# Altium PCB Mother  Board.PcbDoc (part 3 of 4) (continued)
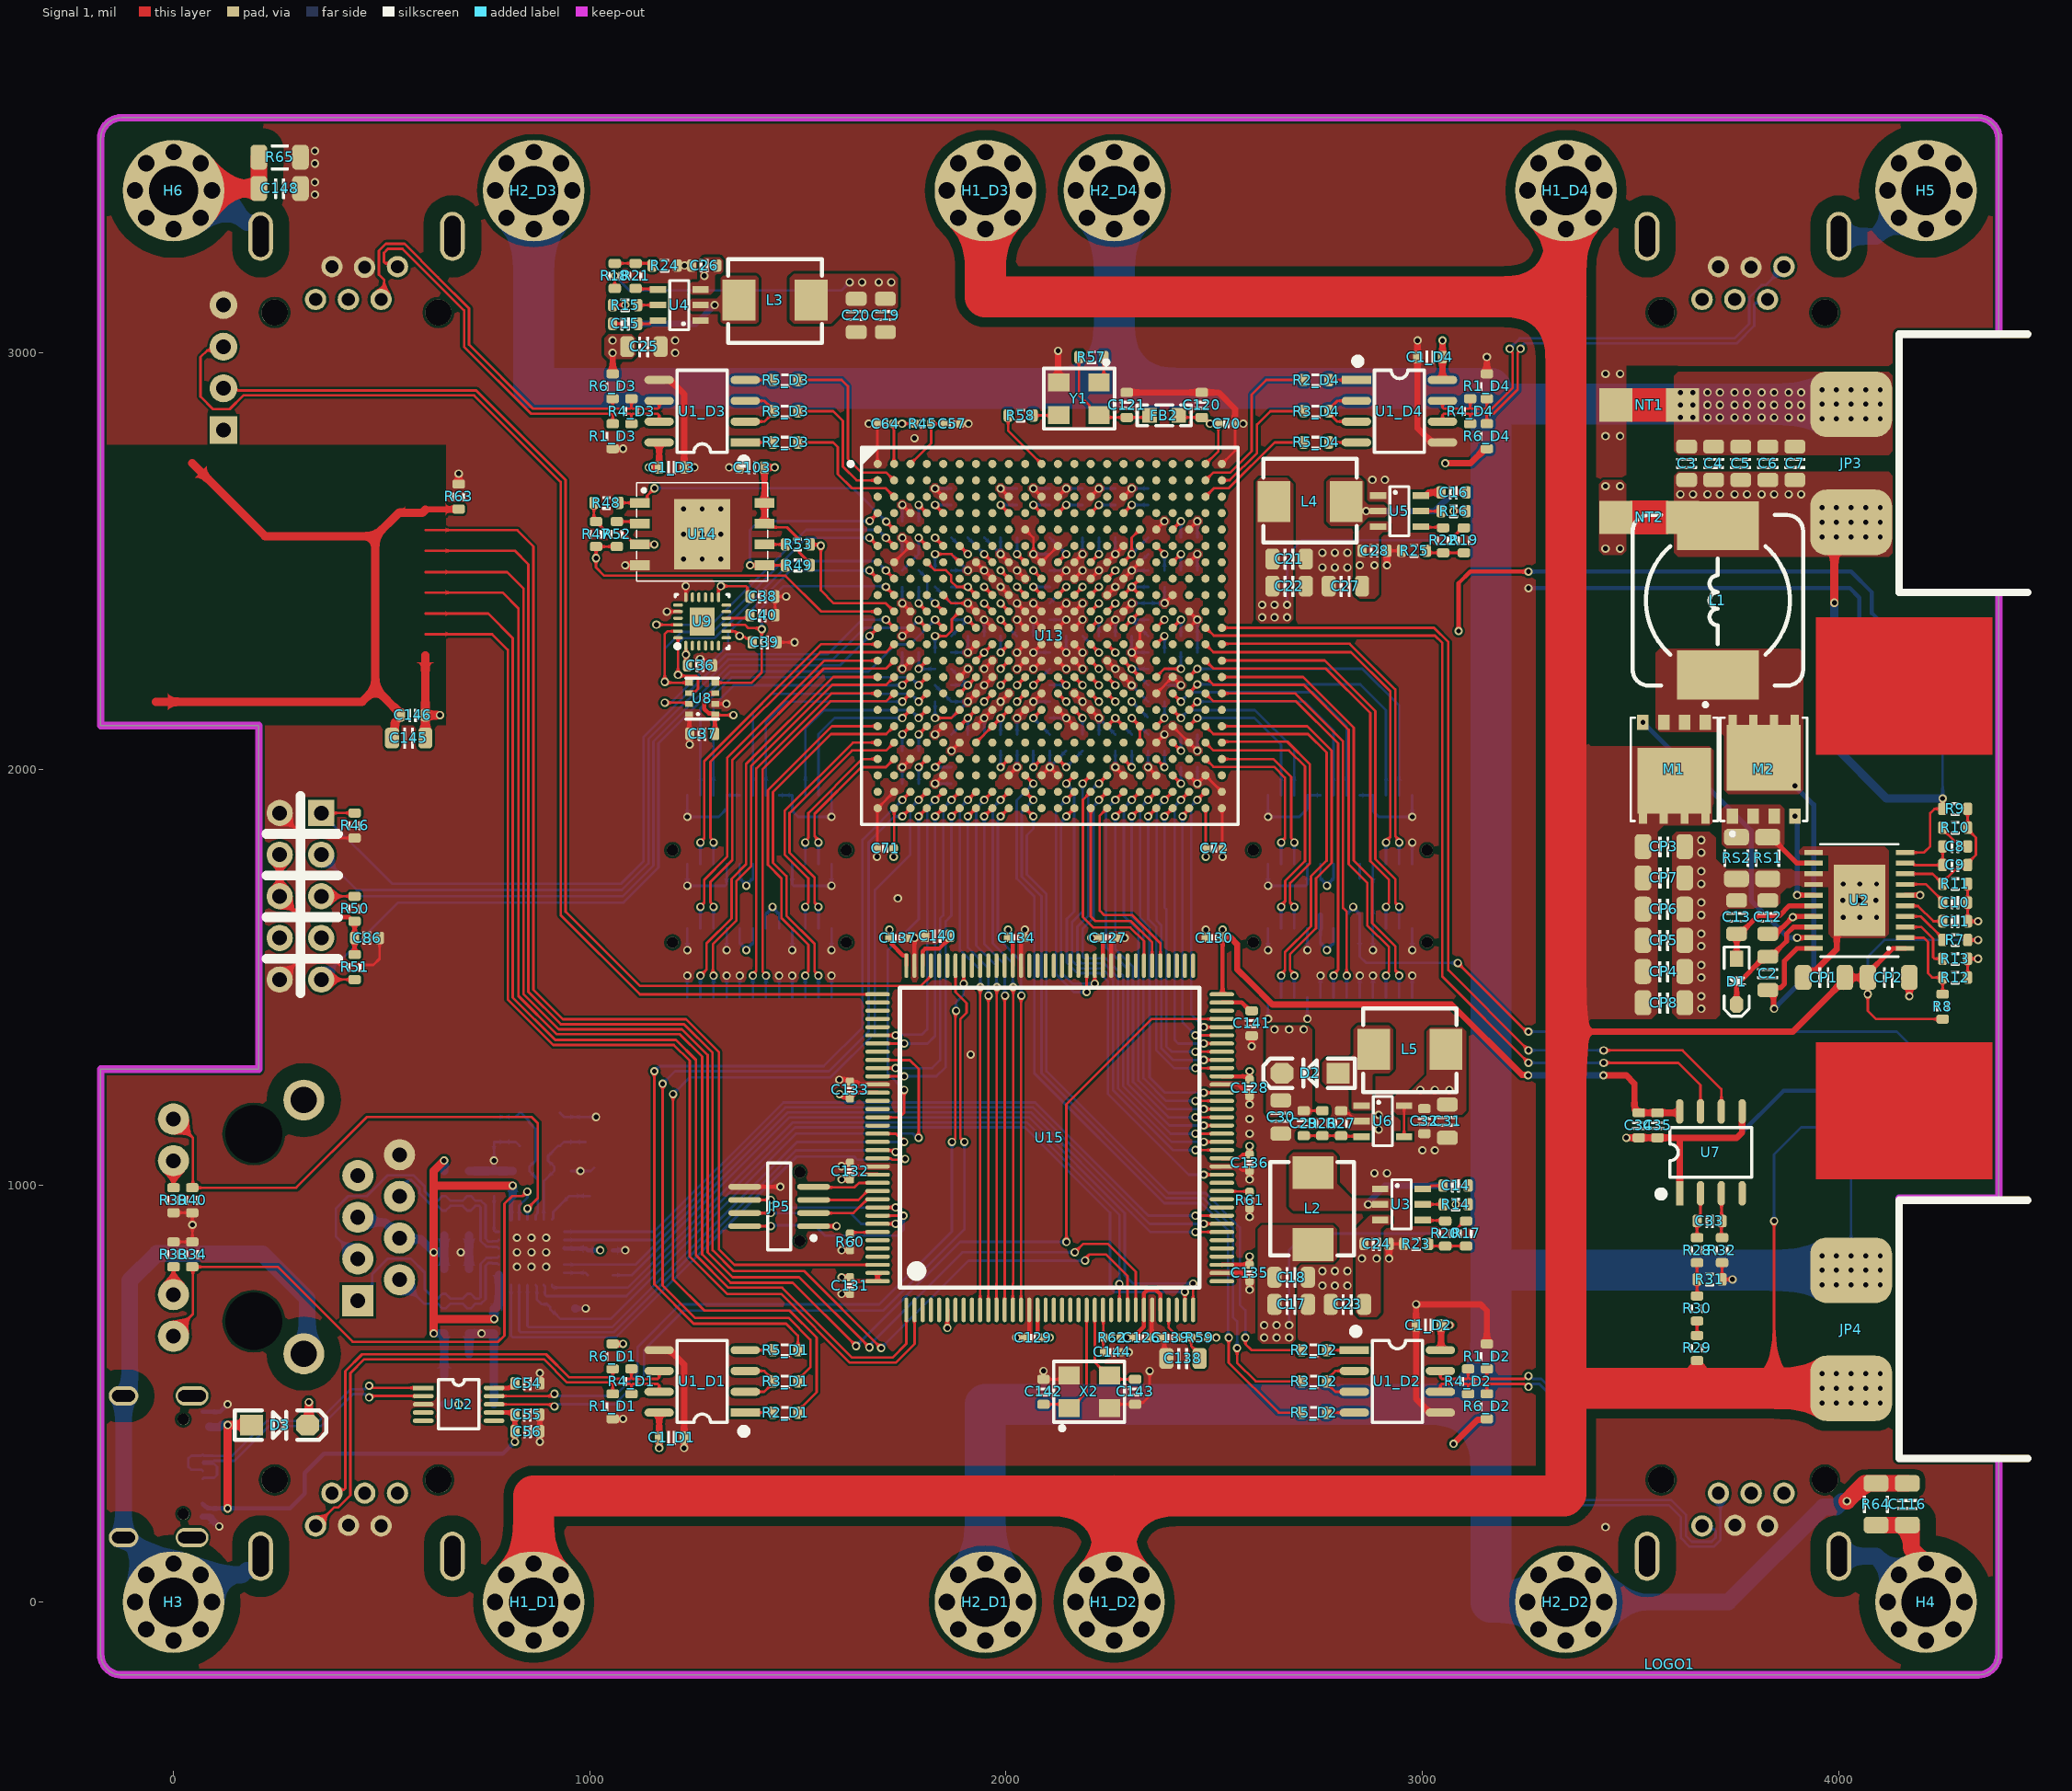
[diagram p0: Signal 1 view]
## Nets (pads, with @x,y where several pads share a name; then routed paths per layer and width w, separated by ;. In a path a pad name is that pad's centre, name@x,y a point inside that pad or via, vN(x,y) a via of type N, cw(c..) or ccw(c..) an arc to the next point about the centre after c; other vN are vias at no path point) (continued)
  Signal 2 w10: USB1.A12@70.08,456.89 111.89,456.89 v2(130,475) ; C149.2@1055,845 v2(1085,845) ; v2@3260,2435 4026.98,2435 4050,2411.98 4050,2300 4105,2245 4250,2245 4262.5,2232.5 ; v1(3490,1115) 3755,1115 3867.6,1227.6 LED2.K@4345,1227.6 ; LED3.K@4350,2087.6 4342.11,2095.49 4321.17,2095.49 4291.19,2125.47 4262.5,2154.17 4262.5,2232.5 ; LED4.K@4350,2247.6 4277.6,2247.6 4262.5,2232.5
  Signal 2 w15: USB1.B12@70.08,204.92 86.58,204.92 v2(110,181.5)
  Signal 2 w20: v1(690,840) 690.18,840.18 C45.1@709.99,840.18 ; C47.1@710,596 C47.1@710,600 C42.1@709.99,645.18 ; C41.1@709.99,800.18 C45.1@709.99,840.18 ; C44.1@709.99,880.18 C45.1@709.99,840.18 ; C43.1@709.99,1035.18 R44.1@769.99,1035.18 C53.2@814.99,1035.18 ; C42.1@710.08,645.09 C52.2@769.9,645.09 ; C46.1@770,475 C52.2@769.99,645 ; R43.2@964.91,704.91 R43.2@965,705
  other v1: 989.99,705.18 2760,760 2790,760 2820,760 2760,795 2790,795 2820,795 825,805 860,805 895,805 825,840 860.01,839.82 895,840 825,875 860,875 895,875 2885,1030 2915,1030 769.81,1060.18 3000,1085 3030,1085 2585,1125 2895,1135 2585,1160 2895,1170 2760,2485 2790,2485 2820,2485 1225,2505 1270,2505 1315,2505 2760,2520 2790,2520 2820,2520 1225,2565 1270,2565 1315,2565 1225,2625 1270,2625 1315,2625 2880,2695 2910,2695 3440,2800 3475,2800 3440,2950 3475,2950 1205,3000 1205,3030 339.77,3379.99 339.77,3409.99 339.77,3454.98 339.77,3484.98
  other v2: 3440,180 740,645 1915,1315 1740,1690 3255,2435 1780,2795
HOLE1: U10.15
HOLE2: U10.16
"IMU nCS BMP280": U8.2 U13.H1 | length 728.5
  Signal 1 w6: v1(1180,2160) 1235.71,2160 U8.2@1238.5,2157.2 ; v1(1671.93,2477.48) U13.H1@1691.61,2457.8
  Signal 2 w6: v1(1180,2160) 1195,2160 1332.58,2297.58 1332.58,2327.58 1482.48,2477.48 v1(1671.93,2477.48)
"IMU nCS MPU9250": U9.22 U13.F2 | length 734.4
  Signal 1 w6: v1@1160,2350 1162.87,2347.13 U9.22@1211.93,2347.13 ; v1(1711.3,2556.22) U13.F2@1730.98,2536.54
  Signal 2 w6: v1(1160,2347.13) 1292.13,2347.13 1520,2575 1692.52,2575 v1(1711.3,2556.22)
"IMU SCLK": U8.4 U9.23 U13.F1 | length 918.9
  Signal 1 w6: U9.23@1211.93,2331.38 1186.38,2331.38 1180,2325 v1(1180,2210) 1182.32,2207.68 U8.4@1238.5,2207.68 ; v1(1671.94,2556) 1672.05,2556 1691.51,2536.54 U13.F1@1691.61,2536.54
  Signal 2 w6: v1(1180,2210) 1180,2290 1220,2330 1295,2330 1521,2556 v1(1671.94,2556)
"IMU SDI": U8.3 U9.24 U13.H2 | length 887.5
  Signal 1 w6: U9.24@1211.93,2315.63 v1(1211.93,2226.68) 1211.93,2224.12 1255.88,2224.12 1260,2220 1260,2193.51 1253.17,2186.68 1242.39,2186.68 U8.3@1238.5,2182.8 ; v1(1711.3,2477.48) U13.H2@1730.98,2457.8
  Signal 2 w6: v1(1211.93,2226.68) 1211.93,2301.93 1225,2315 1300,2315 1485,2500 1688.78,2500 v1(1711.3,2477.48)
"IMU SDO": U8.5 U9.9 U13.J2 | length 715
  Signal 1 w6: U8.5@1301.5,2207.68 1387.68,2207.68 1413.24,2233.24 v1(1413.24,2336.49) 1410.73,2339 1381,2339 1372.87,2347.13 U9.9@1328.07,2347.13 ; v1(1711.3,2438.11) U13.J2@1730.98,2418.43
  Signal 2 w6: v1(1413.24,2336.49) 1413.24,2388.24 1465,2440 1709.41,2440 v1(1711.3,2438.11)
INa_D1: JP2_D1.6 U13.P2 | length 1026.1
  Signal 1 w6: v1(1297.26,1504.23) 1295.62,1505.88 1295.62,1580.07 1352.46,1636.91 1352.46,1731.91 1387.46,1766.91 1387.46,2007.46 1582.73,2202.73 1712.14,2202.73 U13.P2@1730.98,2221.57
  Signal 2 w6: JP2_D1.6@1297.26,1452.32 v1(1297.26,1504.23)
INa_D2: JP2_D2.6 U13.U22 | length 926.2
  Signal 1 w6: U13.U22@2518.39,2103.46 2723.51,2103.46 2782,2044.97 2782,1949.95 2782,1775.58 2744.54,1738.12 2744.54,1618.12 2682,1555.58 2682,1518.29 2692.26,1508.02 v1(2692.26,1504.23)
  Signal 2 w6: JP2_D2.6@2692.26,1452.32 v1(2692.26,1504.23)
INa_D3: JP2_D3.6 U13.T4 | length 486.5
  Signal 1 w6: v1(1790.04,2123.15) U13.T4@1809.72,2142.83
  Signal 2 w6: JP2_D3.6@1517.74,1937.68 1517.74,2097.74 1562.15,2142.15 1771.04,2142.15 v1(1790.04,2123.15)
INa_D4: JP2_D4.6 U13.R20 | length 713.5
  Signal 1 w6: U13.R20@2439.65,2182.2 2439.65,2183.26 2459.33,2202.94 v1(2459.33,2204)
  Signal 2 w6: v1(2459.33,2204) 2851,2204 2912.74,2142.26 JP2_D4.6@2912.74,1937.68
INb_D1: JP2_D1.14 U13.R2 | length 942.5
  Signal 1 w6: v1(1423.25,1504.23) 1423.25,1506.5 1415,1514.75 1415,2000 1578.36,2163.36 1712.14,2163.36 U13.R2@1730.98,2182.2
  Signal 2 w6: JP2_D1.14@1423.25,1452.32 v1(1423.25,1504.23)
INb_D2: JP2_D2.14 U13.R22 | length 957.4
  Signal 1 w6: U13.R22@2518.39,2182.2 2694.77,2182.2 2809.54,2067.43 2809.54,1667.17 2818.25,1658.47 v1(2818.25,1504.23)
  Signal 2 w6: JP2_D2.14@2818.25,1452.32 v1(2818.25,1504.23)
INb_D3: JP2_D3.14 U13.R4 | length 651.6
  Signal 1 w6: v1(1790.04,2162.52) U13.R4@1809.72,2182.2
  Signal 2 w6: JP2_D3.14@1391.75,1937.68 1391.75,2136.75 1436.52,2181.52 1771.04,2181.52 v1(1790.04,2162.52)
INb_D4: JP2_D4.14 U13.T20 | length 539.5
  Signal 1 w6: U13.T20@2439.65,2142.83 v1(2459.33,2162.52)
  Signal 2 w6: v1(2459.33,2162.52) 2717.48,2162.52 2786.75,2093.25 JP2_D4.14@2786.75,1937.68
INc_D1: JP2_D1.22 U13.U2 | length 894.5
  Signal 1 w6: v1(1549.23,1504.23) 1549.23,1505.77 1540,1515 1540,1580.55 1472.46,1648.09 1472.46,1743.09 1440,1775.55 1440,1944.98 1579.64,2084.62 1712.14,2084.62 U13.U2@1730.98,2103.46
  Signal 2 w6: JP2_D1.22@1549.23,1452.32 v1(1549.23,1504.23)
INc_D2: JP2_D2.22 U13.P22 | length 1059.9
  Signal 1 w6: U13.P22@2518.39,2221.57 2713.43,2221.57 2835,2100 2835,2046.95 2835,1781.05 2879.54,1736.51 2879.54,1630.46 2935,1575 2935,1517.25 2944.23,1508.02 v1(2944.23,1504.23)
  Signal 2 w6: JP2_D2.22@2944.23,1452.32 v1(2944.23,1504.23)
INc_D3: JP2_D3.22 U13.P4 | length 799.3
  Signal 1 w6: v1(1790.04,2201.89) U13.P4@1809.72,2221.57
  Signal 2 w6: JP2_D3.22@1265.77,1937.68 1265.77,2145.91 1340.74,2220.89 1771.04,2220.89 v1(1790.04,2201.89)
INc_D4: JP2_D4.22 U13.U20 | length 377.3
  Signal 1 w6: U13.U20@2439.65,2103.46 v1(2459.33,2123.15)
  Signal 2 w6: v1(2459.33,2123.15) 2596.85,2123.15 2660.77,2059.23 JP2_D4.22@2660.77,1937.68
"LCD BLK": JP5.2 U15.136 | length 495
  Signal 1 w6: JP5.2@1372.32,902.76 v1(1434.62,902.76) ; U15.136@1691.54,927.99 v1(1753.84,927.99)
  Signal 2 w6: v1(1434.62,902.76) 1436.87,905 1540,905 1565,880 1740,880 1753.84,893.84 v1(1753.84,927.99)
"LCD CS": JP5.4 U15.137 | length 416.6
  Signal 1 w6: JP5.4@1372.32,934.25 v1(1434.62,934.25) ; U15.137@1691.54,908.31 v1(1734.84,908.31)
  Signal 2 w6: v1(1434.62,934.25) 1625.75,934.25 1651.69,908.31 v1(1734.84,908.31)
"LCD DC": JP5.3 U15.134 | length 167.6
  Signal 1 w6: JP5.3@1537.68,934.25 1633.82,934.25 1666.93,967.36 U15.134@1691.54,967.36
"LCD RES": JP5.7 U15.132 | length 158.8
  Signal 1 w6: JP5.7@1537.68,997.24 1538.92,996 1635.8,996 1646.53,1006.73 U15.132@1691.54,1006.73
"LCD SDA": JP5.6 U15.135 | length 413.3
  Signal 1 w6: JP5.6@1372.32,965.75 v1(1434.62,965.75) ; U15.135@1691.54,947.68 v1(1734.84,947.68)
  Signal 2 w6: v1(1434.62,965.75) 1452.69,947.68 v1(1734.84,947.68)
"LCD SDL": JP5.5 U15.133 | length 162.7
  Signal 1 w6: JP5.5@1537.68,965.75 1645.64,965.75 1666.93,987.05 U15.133@1691.54,987.05
LINK_LED: R40.2 U10.12 U11.3 | length 1334.9
  Signal 1 w6: U10.12@0,1161.65 46.5,1115.15 46.5,996.5 R40.2@45,995 295,995 465,1165 860,1165 875,1150 875,969.68 v1(850.16,944.84)
  Signal 2 w6: v1@850,945 v1(850.16,944.84) U11.3@850.16,918.74
nCONFIG: R55.1 U13.K5 | length 123.1
  Signal 1 w6: v1(1829.41,2398.74) U13.K5@1849.09,2379.06
  Signal 2 w6: R55.1@1790.35,2477.8 1810.41,2457.74 1810.41,2417.74 v1(1829.41,2398.74)
nCSO: R48.2 U13.E2 U14.1 | length 721.5
  Signal 1 w6: R48.2@1070,2640 U14.1@1120.39,2640 1128.88,2640 1137.69,2648.82 1137.69,2657.3 v1(1155.39,2675) ; v1(1711.89,2595) U13.E2@1730.98,2575.91
  Signal 2 w6: v1(1155.39,2675) 1631.89,2675 v1(1711.89,2595)
NetC2_1: C2.1 L1.1 M1.S M2.D U2.20 | length 832.5
  Signal 1 w12: v1(3845,1425) 3843.47,1426.53 3843.47,1464.53 3838,1470 C2.1@3830,1470 3835,1475 3860,1475 3870,1485 3870,1540 3899.84,1569.84 U2.20@3940,1569.84
  Signal 2 w12: v1(3845,1425) 3940,1520 3940,1915 v1(3895,1960)
NetC2_2: C2.2 D1.K U2.18 | length 300.6
  Signal 1 w12: D1.K@3755,1434.88 3755,1483 3822,1550 C2.2@3830,1550 3838,1550 3875,1587 3875,1604.65 3891.37,1621.02 U2.18@3940,1621.02
NetC8_1: C8.1 R10.2 | length 81
  Signal 1 w6: R10.2@4250,1860 4250,1856 4284.5,1821.5 4303.5,1821.5 C8.1@4310,1815
NetC8_2: C8.2 C9.2 U2.9 | length 137.5
  Signal 1 w6: U2.9@4160,1774.57 4176,1774.57 4180.57,1770 C9.2@4250,1770 C8.2@4250,1815 C8.2@4249.57,1814.57
NetC9_1: C9.1 R9.1 R10.1 R11.1 U2.8 | length 342.5
  Signal 1 w6: U2.8@4161.35,1747.62 U2.8@4160,1748.98 4226.02,1748.98 4239.54,1735.46 4242.19,1735.46 R11.1@4250,1727.65 ; R11.1@4256.5,1731.5 R11.1@4250,1725 R11.1@4250,1727.65 ; R9.1@4310,1905 R10.1@4310,1860 4310,1856 4330,1836 4330,1794 4310,1774 C9.1@4310,1770 4303.5,1763.5 4284.5,1763.5 4250,1729 R11.1@4250,1727.65
NetC10_2: C10.2 U2.7 | length 111
  Signal 1 w6: U2.7@4160,1723.39 4160.8,1724.18 4209.82,1724.18 4250,1684 C10.2@4250,1680
NetC11_2: C11.2 U2.5 | length 124.6
  Signal 1 w6: U2.5@4176,1672.2 U2.5@4160,1672.2 4160.51,1671.7 4191,1671.7 4227.7,1635 C11.2@4250,1635 C11.2@4250,1638.2
NetC13_1: C13.1 D1.A U2.16 | length 272.7
  Signal 1 w12: D1.A@3755,1545.12 C13.1@3755,1605 3763,1605 3806.61,1648.61 3858.05,1648.61 3881.64,1672.2 U2.16@3940,1672.2
NetC14_1: C14.1 L2.2 U3.2 | length 258.6
  Signal 1 w6: v1(3080,1000) C14.1@3110,1000
  Signal 2 w15: v1@2865,955 2910,1000 v1@3075,1000
  other v1: 2870,955
NetC14_2: C14.2 U3.6 | length 52
  Signal 1 w6: U3.6@3001.18,992.4 3012.99,992.4 3020.59,1000 C14.2@3050,1000
NetC15_1: C15.1 L3.2 U4.2 | length 263.6
  Signal 1 w6: C15.1@1055,3070 v1(1085,3070)
  Signal 2 w15: v1(1085,3070) 1255,3070 v1(1300,3115)
NetC15_2: C15.2 U4.6 | length 52
  Signal 1 w6: C15.2@1115,3070 1144.41,3070 1152.01,3077.6 U4.6@1163.82,3077.6
NetC16_1: C16.1 L4.2 U5.2 | length 258.6
  Signal 1 w15: v1(3075,2665) C16.1@3105,2665
  Signal 2 w15: v1(2865,2620) 3030,2620 v1(3075,2665)
NetC16_2: C16.2 U5.6 | length 52
  Signal 1 w15: U5.6@2996.18,2657.4 3007.99,2657.4 3015.59,2665 C16.2@3045,2665
NetC29_1: C29.1 R26.2 R27.1 U6.3 | length 138
  Signal 1 w6: C29.1@2715,1120 R26.2@2760,1120 ; R26.2@2763.33,1116.36 2766.97,1120 R27.1@2805,1120 2806.2,1118.8 2852.62,1118.8 U6.3@2853.82,1117.6
NetC33_1: C33.1 R32.2 U7.3 | length 174.6
  Signal 1 w6: R32.2@3720,875 3718.27,876.73 U7.3@3718.27,981.57 3719.13,980.71 3719.13,915.87 C33.1@3720,915
NetC33_2: C33.2 R28.2 U7.2 | length 110
  Signal 1 w6: R28.2@3660,875 C33.2@3660,915 3660,920.35 3668.27,928.62 U7.2@3668.27,981.57
NetC40_2: C40.2 U9.10 | length 59.9
  Signal 1 w6: U9.10@1328.07,2362.87 1328.38,2363.19 1378.19,2363.19 C40.2@1385,2370
NetC48_1: C48.1 R41.2 U11.4 X1.1 | length 356.3
  Signal 2 w6: C48.1@770,1165 821.81,1165 X1.1@831.49,1174.68 835.43,1174.68 854.08,1156.03 854.08,1152.09 870,1136.18 870,1060.54 854.99,1045.54 R41.2@854.99,1040.18 854.99,1034.83 875,1014.82 875,938.59 874.62,938.22 874.62,933.36 869.84,928.58 U11.4@869.84,918.74
NetC49_1: C49.1 R41.1 U11.5 X1.3 | length 273.2
  Signal 2 w6: U11.5@889.53,918.74 889.53,1010.72 914.99,1036.18 R41.1@914.99,1040.18 914.99,1045.01 900,1060 900,1071.13 924.56,1095.68 X1.3@928.49,1095.68 937.81,1105 C49.1@990,1105
NetC50_1: C50.1 C51.1 U11.6 | length 122.7
  Signal 2 w6: U11.6@909.21,918.74 912.12,921.65 912.12,936.31 950.99,975.18 C50.1@954.99,975.18 C51.1@999.99,975.18
NetC54_1: C54.1 U12.10 | length 56.7
  Signal 1 w10: U12.10@770.01,514.19 812.92,514.19 820,521.27 C54.1@820,525
NetC121_2: C121.2 FB2.2 R57.1 Y1.4 | length 287.7
  Signal 1 w6: R57.1@2175,2990 2175,2899 2200.91,2873.09 2200.91,2869.15 2219.56,2850.5 Y1.4@2223.5,2850.5 2229,2845 C121.2@2290,2845 2340,2845 FB2.2@2345,2850
NetC138_1: C138.1 C139.1 R59.1 U15.33 | length 165.1
  Signal 1 w6: U15.33@2390.36,701.61 2390.36,659.64 C139.1@2415,635 R59.1@2445,635 2445,614.75 2465,594.75 C138.1@2465,585
NetC140_2: C140.2 U15.106 | length 118.1
  Signal 1 w10: U15.106@1799.81,1528.39 1799.81,1563.06 1805.67,1568.91 1838.91,1568.91 1865,1595 C140.2@1865,1600
NetC141_2: C141.2 U15.71 | length 80
  Signal 1 w6: U15.71@2518.31,1439.8 U15.71@2518.41,1439.9 ; C141.2@2586,1420 C141.2@2590,1420
  Signal 1 w10: U15.71@2518.31,1439.8 2566.2,1439.8 C141.2@2586,1420
NetD2_A: D2.A L5.2 U6.1
NetLED1_A: LED1.A R66.2 | length 61
  Signal 2 w6: R66.2@4290,1140 4347.6,1140 LED1.A@4350,1142.4
NetLED2_A: LED2.A R67.2 | length 61.1
  Signal 2 w6: R67.2@4290,1305 4347.4,1305 LED2.A@4350,1302.4
NetLED3_A: LED3.A R68.2 | length 61.1
  Signal 2 w6: R68.2@4290,2165 4347.4,2165 LED3.A@4350,2162.4
NetLED4_A: LED4.A R69.2 | length 61.1
  Signal 2 w10: R69.2@4290,2325 4347.4,2325 LED4.A@4350,2322.4
NetM1_G: M1.G U2.19 | length 722.6
  Signal 1 w12: v1(3900.43,1595.43) U2.19@3940,1595.43
  Signal 2 w12: v1(3530,2112.8) 3790,1852.8 3790,1685 3879.57,1595.43 v1(3900.43,1595.43)
NetM2_G: M2.G U2.15 | length 231.2
  Signal 1 w12: v1(3900.43,1697.8) U2.15@3940,1697.8
  Signal 2 w12: v1(3895,1887.2) 3895,1885.03 3900.43,1879.6 v1(3900.43,1697.8)
NetM2_S: M2.S RS1.2 RS2.2 U2.12 | length 136.2
  Signal 1 w12: RS1.2@3829.74,1837.05 3837.57,1837.05 RS1.2@3851.27,1823.35 ; RS1.2@3851.27,1823.3 3900,1774.57 U2.12@3940,1774.57
NetR2_D1_2: R2_D1.2 U1_D1.1 | length 66.7
  Signal 1 w6: U1_D1.1@1373.35,455 R2_D1.2@1440,455
NetR2_D2_2: R2_D2.2 U1_D2.1 | length 66.7
  Signal 1 w6: R2_D2.2@2770,605 U1_D2.1@2836.65,605
NetR2_D3_2: R2_D3.2 U1_D3.1 | length 66.7
  Signal 1 w6: U1_D3.1@1373.35,2785 R2_D3.2@1440,2785
NetR2_D4_2: R2_D4.2 U1_D4.1 | length 66.7
  Signal 1 w6: R2_D4.2@2775,2935 U1_D4.1@2841.65,2935
NetR3_D1_2: R3_D1.2 U1_D1.2 U1_D1.3 | length 158.7
  Signal 1 w6: U1_D1.2@1373.35,505 1419,505 1440,526 R3_D1.2@1440,530 1440,534 1419,555 U1_D1.3@1373.35,555
NetR3_D2_2: R3_D2.2 U1_D2.2 U1_D2.3 | length 158.7
  Signal 1 w6: U1_D2.3@2836.65,505 2791,505 2770,526 R3_D2.2@2770,530 2770,534 2791,555 U1_D2.2@2836.65,555
NetR3_D3_2: R3_D3.2 U1_D3.2 U1_D3.3 | length 158.7
  Signal 1 w6: U1_D3.2@1373.35,2835 1419,2835 1440,2856 R3_D3.2@1440,2860 1440,2864 1419,2885 U1_D3.3@1373.35,2885
NetR3_D4_2: R3_D4.2 U1_D4.2 U1_D4.3 | length 158.7
  Signal 1 w6: U1_D4.3@2841.65,2835 2796,2835 2775,2856 R3_D4.2@2775,2860 2775,2864 2796,2885 U1_D4.2@2841.65,2885
NetR5_D1_2: R5_D1.2 U1_D1.4 | length 66.7
  Signal 1 w6: U1_D1.4@1373.35,605 R5_D1.2@1440,605
NetR5_D2_2: R5_D2.2 U1_D2.4 | length 66.7
  Signal 1 w6: R5_D2.2@2770,455 U1_D2.4@2836.65,455
NetR5_D3_2: R5_D3.2 U1_D3.4 | length 66.7
  Signal 1 w6: U1_D3.4@1373.35,2935 R5_D3.2@1440,2935
NetR5_D4_2: R5_D4.2 U1_D4.4 | length 66.7
  Signal 1 w6: R5_D4.2@2775,2785 U1_D4.4@2841.65,2785
NetR7_2: R7.2 U2.4 | length 115.8
  Signal 1 w6: U2.4@4160,1646.61 4197.39,1646.61 4250,1594 R7.2@4250,1590
NetR13_1: R13.1 U2.3 | length 143.5
  Signal 1 w6: U2.3@4168,1621.02 4198.98,1621.02 4227,1593 4227,1548.51 4230.51,1545 R13.1@4250,1545 R13.1@4250,1549
NetR14_2: R14.2 U3.5 | length 48.8
  Signal 1 w6: U3.5@3001.18,955 R14.2@3050,955
NetR15_2: R15.2 U4.5 | length 48.8
  Signal 1 w6: R15.2@1115,3115 U4.5@1163.82,3115
NetR16_2: R16.2 U5.5 | length 48.8
  Signal 1 w6: U5.5@2996.18,2620 R16.2@3045,2620
NetR17_1: R17.1 R20.1 R23.1 | length 92.1
  Signal 1 w6: R23.1@3015,860 3020,855 R20.1@3055,855 R17.1@3105,855
NetR18_1: R18.1 R21.1 R24.1 | length 92.1
  Signal 1 w6: R18.1@1060,3215 R21.1@1110,3215 1145,3215 R24.1@1150,3210
NetR19_1: R19.1 R22.1 R25.1 | length 92.1
  Signal 1 w6: R25.1@3010,2525 3015,2520 R22.1@3050,2520 R19.1@3100,2520
NetR20_2: R20.2 U3.4 | length 54.9
  Signal 1 w6: U3.4@3001.18,917.6 3002.48,916.3 3053.7,916.3 R20.2@3055,915
NetR21_2: R21.2 U4.4 | length 54.9
  Signal 1 w6: R21.2@1110,3155 1111.3,3153.7 1162.52,3153.7 U4.4@1163.82,3152.4
NetR22_2: R22.2 U5.4 | length 54.9
  Signal 1 w6: U5.4@2996.18,2582.6 2997.48,2581.3 3048.7,2581.3 R22.2@3050,2580
NetR28_1: R28.1 R30.1 R31.2 | length 80
  Signal 1 w6: R30.1@3660,735 R31.2@3660,775 R28.1@3660,815
NetR29_1: R29.1 R30.2 | length 35
  Signal 1 w6: R29.1@3660,640 R30.2@3660,675
NetR33_2: R33.2 U10.10 | length 65
  Signal 1 w6: U10.10@0,740 R33.2@0,805
NetR39_2: R39.2 U10.11 | length 66.7
  Signal 1 w6: R39.2@0,995 U10.11@0,1061.65
NetR42_2: R42.2 U11.12 | length 58.7
  Signal 2 w6: U11.12@938.74,790.79 989.21,790.79 R42.2@995,785
NetR44_2: R44.2 U11.24 | length 95.5
  Signal 2 w6: R44.2@769.99,975.18 769.99,892.12 772.9,889.21 U11.24@781.26,889.21
NetR52_2: R52.2 U14.2 | length 57.5
  Signal 1 w6: R52.2@1065,2595 1115.41,2595 U14.2@1120.4,2590
NetR53_1: R53.1 U14.6 | length 50.4
  Signal 1 w6: U14.6@1419.6,2540 R53.1@1470,2540
NetR57_2: R57.2 Y1.1 | length 65.3
  Signal 1 w6: Y1.1@2223.5,2929.5 2235,2941 R57.2@2235,2990
NetR58_2: R58.2 Y1.3 | length 61.7
  Signal 1 w6: R58.2@2065,2850 2126,2850 Y1.3@2126.5,2850.5
NetU13_A4: U13.A4
NetU13_A5: U13.A5
NetU13_A6: U13.A6
NetU13_A7: U13.A7
NetU13_A8: U13.A8
NetU13_A9: U13.A9
NetU13_A10: U13.A10
NetU13_A13: U13.A13
NetU13_A14: U13.A14
NetU13_A15: U13.A15
NetU13_A16: U13.A16
NetU13_A17: U13.A17
NetU13_A18: U13.A18
NetU13_A19: U13.A19
NetU13_A20: U13.A20
NetU13_AA1: U13.AA1
NetU13_B3: U13.B3
NetU13_B4: U13.B4
NetU13_B5: U13.B5
NetU13_B6: U13.B6
NetU13_B7: U13.B7
NetU13_B8: U13.B8
NetU13_B9: U13.B9
NetU13_B10: U13.B10
NetU13_B13: U13.B13
NetU13_B14: U13.B14
NetU13_B15: U13.B15
NetU13_B16: U13.B16
NetU13_B17: U13.B17
NetU13_B18: U13.B18
NetU13_B19: U13.B19
NetU13_B20: U13.B20
NetU13_C1: U13.C1
NetU13_C3: U13.C3
NetU13_C4: U13.C4
NetU13_C6: U13.C6
NetU13_C7: U13.C7
NetU13_C8: U13.C8
NetU13_C10: U13.C10
NetU13_C13: U13.C13
NetU13_C15: U13.C15
NetU13_C17: U13.C17
NetU13_C18: U13.C18
NetU13_C19: U13.C19
NetU13_C20: U13.C20
NetU13_C22: U13.C22
NetU13_D2: U13.D2
NetU13_D6: U13.D6
NetU13_D7: U13.D7
NetU13_D8: U13.D8
NetU13_D10: U13.D10
NetU13_D13: U13.D13
NetU13_D15: U13.D15
NetU13_D17: U13.D17
NetU13_D18: U13.D18
NetU13_D19: U13.D19
NetU13_D20: U13.D20
NetU13_D21: U13.D21
NetU13_D22: U13.D22
NetU13_E1: U13.E1
NetU13_E3: U13.E3
NetU13_E4: U13.E4
NetU13_E5: U13.E5
NetU13_E6: U13.E6
NetU13_E7: U13.E7
NetU13_E8: U13.E8
NetU13_E9: U13.E9
NetU13_E11: U13.E11
NetU13_E12: U13.E12
NetU13_E13: U13.E13
NetU13_E14: U13.E14
NetU13_E15: U13.E15
NetU13_E16: U13.E16
NetU13_E21: U13.E21
NetU13_E22: U13.E22
NetU13_F7: U13.F7
NetU13_F8: U13.F8
NetU13_F9: U13.F9
NetU13_F10: U13.F10
NetU13_F11: U13.F11
NetU13_F13: U13.F13
NetU13_F14: U13.F14
NetU13_F15: U13.F15
NetU13_F17: U13.F17
NetU13_F19: U13.F19
NetU13_F20: U13.F20
NetU13_F21: U13.F21
NetU13_F22: U13.F22
NetU13_G3: U13.G3
NetU13_G5: U13.G5
NetU13_G18: U13.G18
NetU13_H3: U13.H3
NetU13_H4: U13.H4
NetU13_H5: U13.H5
NetU13_H6: U13.H6
NetU13_H7: U13.H7
NetU13_H18: U13.H18
NetU13_H19: U13.H19
NetU13_H20: U13.H20
NetU13_H21: U13.H21
NetU13_H22: U13.H22
NetU13_J1: U13.J1
NetU13_J3: U13.J3
NetU13_J4: U13.J4
NetU13_J6: U13.J6
NetU13_J18: U13.J18
NetU13_J20: U13.J20
NetU13_J21: U13.J21
NetU13_J22: U13.J22
NetU13_K18: U13.K18
NetU13_K19: U13.K19
NetU13_K21: U13.K21
NetU13_K22: U13.K22
NetU13_L6: U13.L6
NetU13_M3: U13.M3
NetU13_M4: U13.M4
NetU13_M5: U13.M5
NetU13_M6: U13.M6
NetU13_M16: U13.M16
NetU13_M19: U13.M19
NetU13_M20: U13.M20
NetU13_N5: U13.N5
NetU13_N6: U13.N6
NetU13_N18: U13.N18
NetU13_N19: U13.N19
NetU13_N20: U13.N20
NetU13_P5: U13.P5
NetU13_R5: U13.R5
NetU13_R16: U13.R16
NetU13_R17: U13.R17
NetU13_T5: U13.T5
NetU13_T15: U13.T15
NetU13_T16: U13.T16
NetU13_T17: U13.T17
NetU13_T18: U13.T18
NetU13_U9: U13.U9
NetU13_U10: U13.U10
NetU13_U11: U13.U11
NetU13_U12: U13.U12
NetU13_U14: U13.U14
NetU13_V3: U13.V3
NetU13_V4: U13.V4
NetU13_V5: U13.V5
NetU13_V8: U13.V8
NetU13_V9: U13.V9
NetU13_V10: U13.V10
NetU13_V11: U13.V11
NetU13_V12: U13.V12
NetU13_V13: U13.V13
NetU13_V14: U13.V14
NetU13_V15: U13.V15
NetU13_V16: U13.V16
NetU13_W6: U13.W6
NetU13_W7: U13.W7
NetU13_W8: U13.W8
NetU13_W10: U13.W10
NetU13_W13: U13.W13
NetU13_W14: U13.W14
NetU13_W15: U13.W15
NetU13_W17: U13.W17
NetU13_W19: U13.W19